# Altium PCB Stabilizer.PCBDOC (part 7 of 8) (continued)
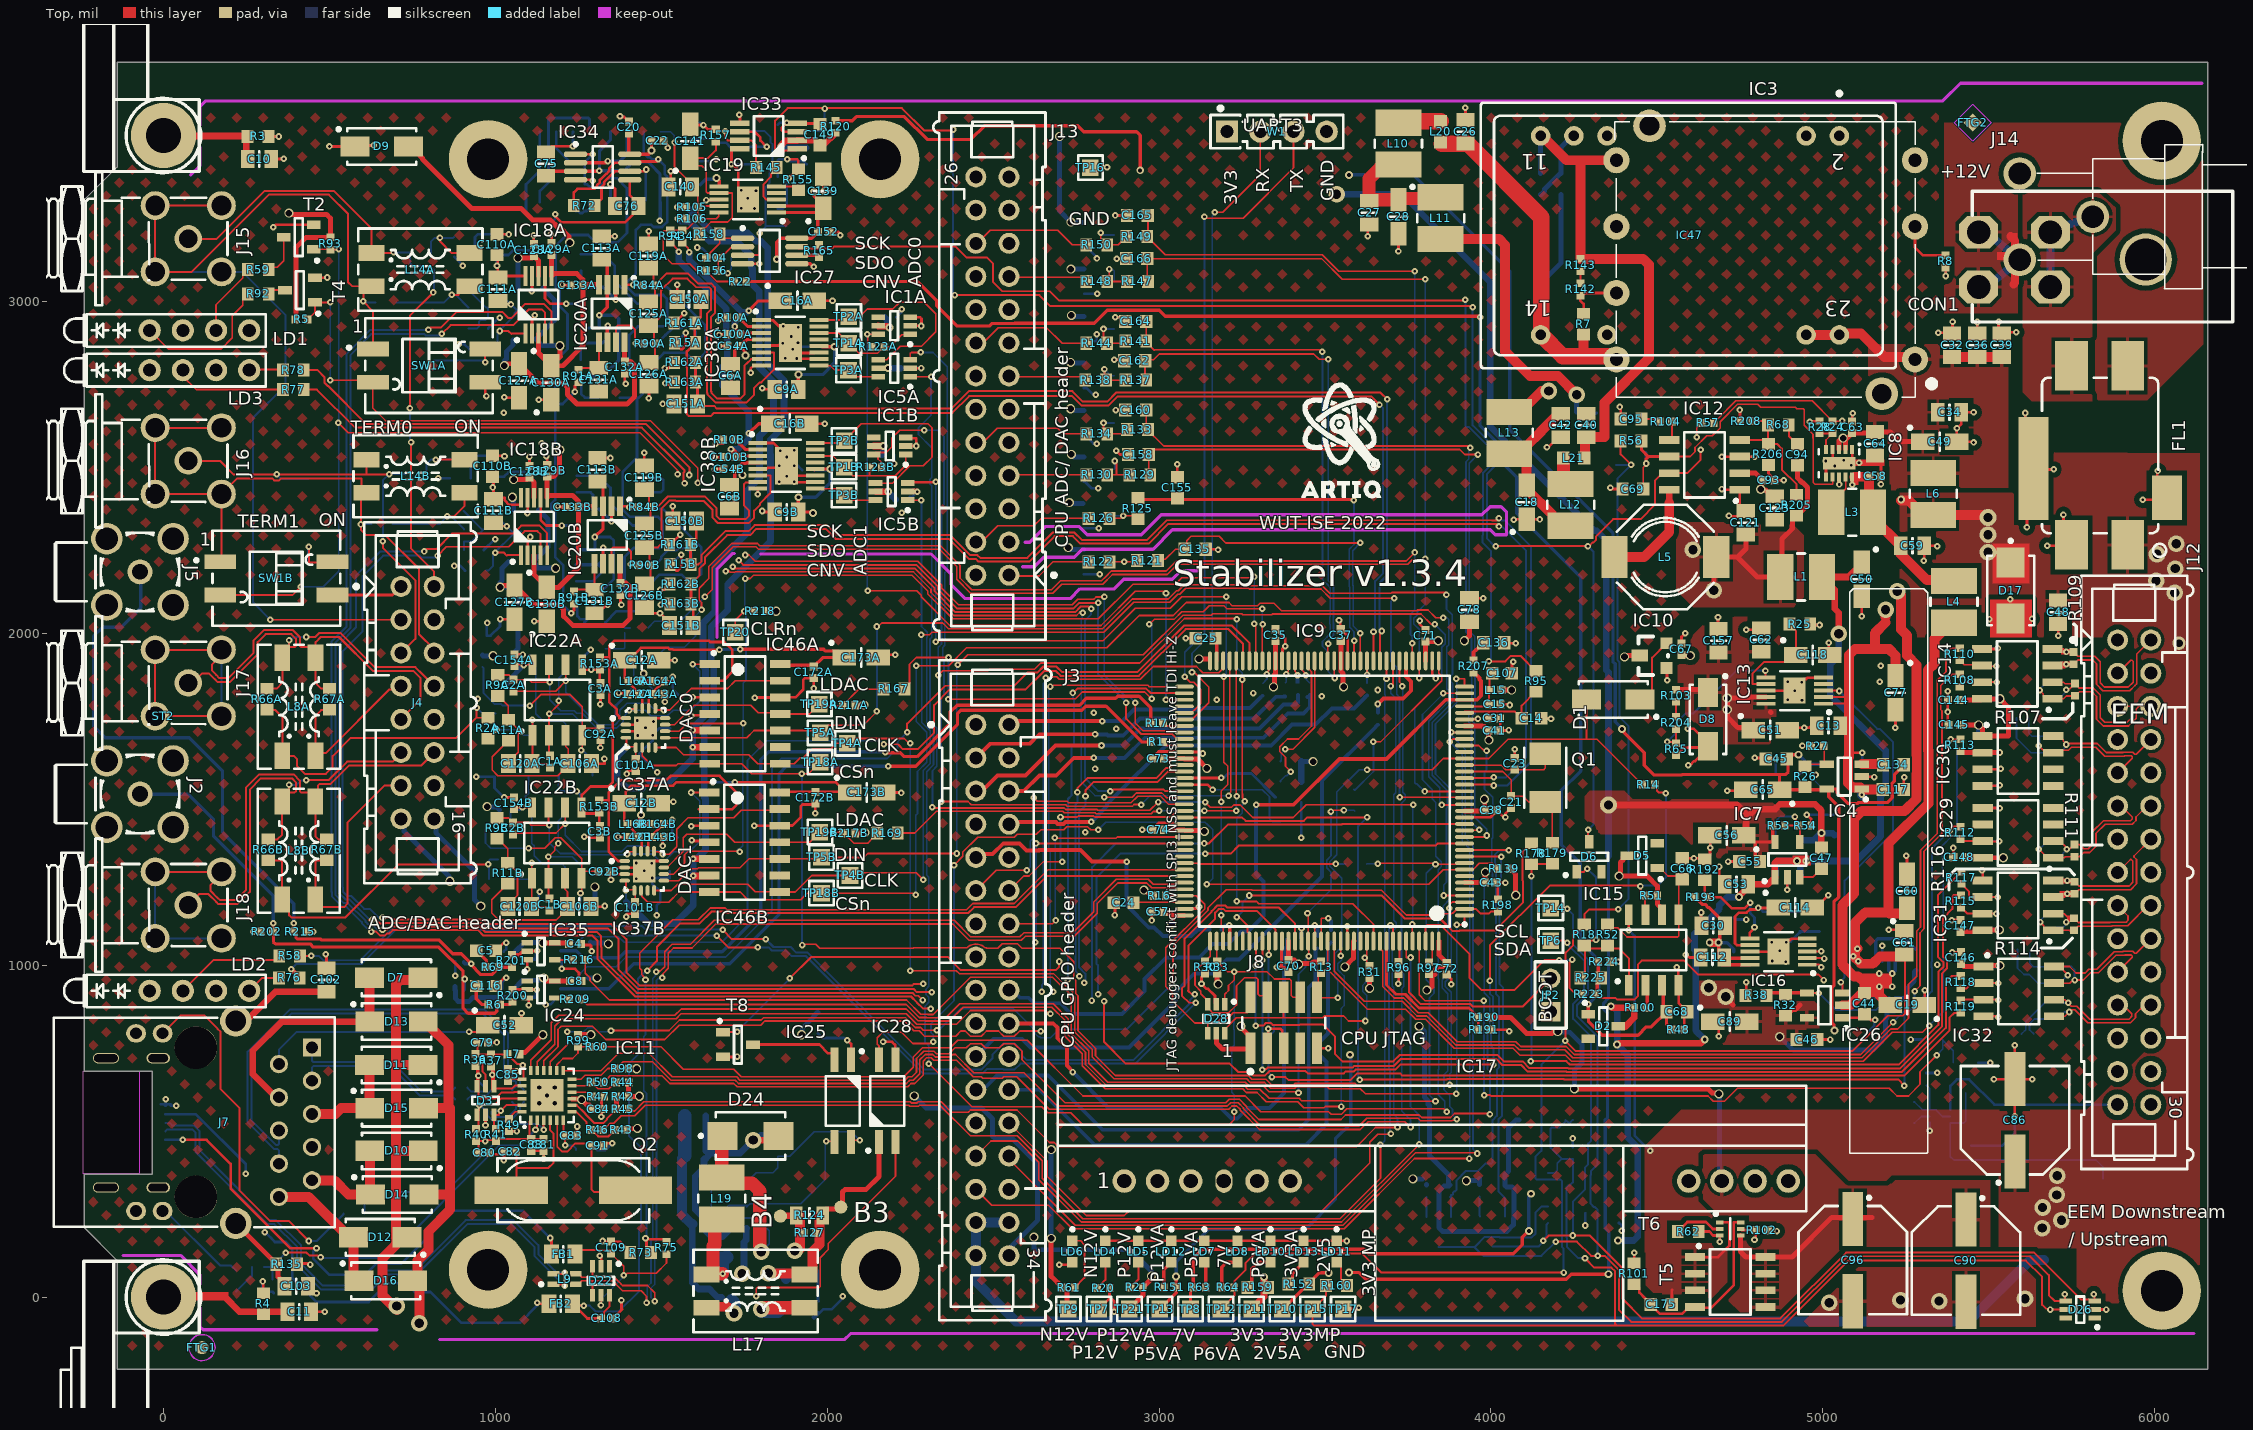
[diagram p0: Top view]
## Nets (pads, with @x,y where several pads share a name; then routed paths per layer and width w, separated by ;. In a path a pad name is that pad's centre, name@x,y a point inside that pad or via, vN(x,y) a via of type N, cw(c..) or ccw(c..) an arc to the next point about the centre after c; other vN are vias at no path point) (continued)
  Top w5: v1(1539.86,3479) 1540,3478.86 1540,3405.69 1584.75,3360.94 1584.75,3331.44 1597.15,3331.44 1609.59,3319 1609.59,3284.31 1609.59,3245.64 1603.59,3239.63 1600.02,3239.63 1579.93,3219.55 1570.02,3219.55 R34.1@1563.16,3212.69 ; 1541.82,3212.69 1527.04,3212.69 1509.09,3212.69 1506.16,3209.76 1506.16,3139.84 1532.29,3113.71 1585.7,3113.71 1606.98,3092.43 R156.1@1634.8,3092.43 1667.23,3060 R22.1@1719.5,3060 1719.5,3060.79 1702.63,3077.66 1702.63,3081.99 v1(1699.82,3084.8) ; 1541.82,3214.18 1542.33,3214.69 R34.1@1563.16,3214.69 ; R106.1@1614.12,3249.34 1665.74,3249.34 1673.54,3257.13 1673.54,3266.94 IC19.10@1674.44,3267.84 ; R105.1@1614.12,3284.31 1617.34,3287.53 IC19.9@1674.44,3287.53
  Bot w5: RN4.8@1496.86,3511.38 1527.62,3511.38 1539.86,3499.14 v1(1539.86,3479) ; v1(1699.82,3084.8) 1699.82,3086.7 1711.13,3098.01 R154.2@1711.13,3133.16
REF_P4V096_ADCA: C16A.1 C100A.2 IC38A.3 R34.2 | length 538.3
  Top w5: R34.2@1563.16,3177.68 1563.95,3177.68 1581.04,3160.59 1581.04,3150.56 v1(1583.85,3147.75)
  Top w7.87: C100A.2@1735.06,2901.19 1737.58,2903.7 1738.68,2904.8 IC38A.3@1802.39,2904.8
  Top w10: v1(1721.73,2924.49) 1721.73,2919.55 C100A.2@1737.58,2903.7 ; v1(1763.39,2972.01) 1792.92,3001.54 C16A.1@1836.23,3001.54
  Bot w20: v1(1583.85,3147.75) 1583.85,3125.81 1742.24,2967.43 1758.8,2967.43 v1(1763.39,2972.01) ; v1(1721.73,2924.49) 1721.73,2938.96 1746.21,2963.45
REF_P4V096_ADCB: C16B.1 C100B.2 IC38B.3 R94.2 | length 960.4
  Top w6: R94.2@1527.04,3177.68 1527.83,3177.68 1552.91,3152.6 v1(1552.91,3149.14)
  Top w10: v1@1710,2550.4 1726.12,2534.28 IC38B.3@1790.69,2534.28 ; 1719.89,2551.95 C100B.2@1732.12,2539.72 ; v1(1763.54,2602.19) 1793.06,2631.72 C16B.1@1836.38,2631.72 ; IC38B.3@1794.65,2533.88 1794.76,2534 1795.44,2533.32 IC38B.3@1796.01,2533.88
  Bot w20: v1(1552.91,3149.14) 1552.91,3121.4 1695.84,2978.46 1695.84,2913.29 1699.28,2909.85 1699.28,2818.29 1684.16,2803.17 1684.16,2746.91 1763.54,2667.53 v1(1763.54,2602.19) 1763.54,2586.45 1732.09,2555 v1(1710,2555)
REF_P4V096_DAC1: C101A.2 C138A.1 IC37A.4 IC37A.5 IC46A.5 IC46A.6 R106.2 | length 2514.2
  Top w5: v1@1395.35,1658.52 IC37A.4@1395.35,1685.35 ; v1@1396.07,1657.8 1422.91,1657.8 C101A.2@1422.91,1620.87 C101A.2@1422.91,1617.71 ; v1(1550.05,3249.34) R106.2@1575.5,3249.34
  Top w20: v1(1594.44,1707.71) 1655.42,1707.71 IC46A.5@1656.06,1707.07 ; v1(1595,1657.08) IC46A.6@1656.05,1657.08
  Bot w20: v1(1395.35,1657.08) 1367,1628.73 1367,1564.18 1397.37,1533.82 C138A.1@1444,1533.82 ; C138A.1@1461.99,1555.98 1528.07,1555.98 1595,1622.91 v1(1595,1657.08) 1595,1707.71 1595,1715.21 1633.04,1753.25 1633.04,1893.22 1625.5,1900.76 1625.5,2030.62 1661.18,2066.3 1661.18,2204.94 1759.61,2303.37 1759.61,2431.07 1796.01,2467.47 1796.01,2594.99 1838.18,2637.17 1838.18,2758.16 1795.48,2800.86 1795.48,3030.35 1774.94,3050.9 1774.94,3099.28 1770.8,3103.42 1770.8,3138.45 1728.09,3181.16 1644.68,3181.16 1584.62,3241.22 1558.17,3241.22 v1(1550.05,3249.34)
REF_P4V096_DAC2: C101B.2 C138B.1 IC37B.4 IC37B.5 IC46B.5 IC46B.6 R105.2 | length 2980.7
  Top w5: IC37B.4@1393.59,1254.73 1393.59,1227.89 1394.31,1227.17 1421.14,1227.17 C101B.2@1421.14,1190.25 C101B.2@1421.14,1187.08 ; v1(1548.82,3284.31) R105.2@1574.5,3284.31 R105.2@1577.12,3284.31
  Top w20: v1(1595.94,1320.6) 1654.3,1320.6 IC46B.5@1654.51,1320.39 ; v1(1596.68,1268.95) 1653.06,1268.95 IC46B.6@1654.51,1270.39
  Bot w5: v1(1393.59,1226.45) 1393.59,1192 C138B.1@1394.57,1191.02
  Bot w20: C138B.1@1394.57,1191.02 1460.23,1125.36 1540.56,1125.36 1596.68,1181.47 v1(1596.68,1268.95) v1@1596.68,1320.6 ; v1(1548.82,3284.31) 1576.88,3284.31 1655.04,3206.16 1760.71,3206.16 1785.71,3181.16 1801.25,3181.16 1820.48,3161.92 1820.48,2811.22 1869.86,2761.84 1869.86,2624.04 1828.5,2582.68 1828.5,2538.91 1828.96,2538.45 1828.96,2276.83 1700.23,2148.1 1700.23,2069.99 1650.5,2020.27 1650.5,1911.12 1658.04,1903.57 1658.04,1742.9 1629.67,1714.52 1629.67,1505.16 1633.04,1501.78 1633.04,1347.57 1606.08,1320.6 v1(1595.94,1320.6)
REF_S\H\D\N\: D6.3 IC12.7 IC33.1 IC42.1 R57.1 | length 5514.2
  Top w6: IC33.1@1910.19,3460.01 1904.34,3454.15 1872.15,3454.15 1867.69,3449.68 1852.78,3449.68 1842.24,3460.23 1842.24,3484.98 1843.16,3485.9 1843.16,3544.54 1880.83,3582.21 2225.17,3582.21 2292.39,3514.99 2332.16,3514.99 2332.45,3515.28 2376.89,3515.28 v1(2379.69,3518.08) ; v1(2384.43,3019.24) 2639.15,3019.24 2672.45,2985.94 2837.87,2985.94 2837.93,2986 3941.61,2986 v1(3944.65,2982.96) ; v1(4013.99,2262.86) 4295.94,2262.86 4307.04,2273.96 4309.35,2273.96 4316.82,2281.43 4316.82,2292.28 4368.27,2343.73 4451,2343.73 4494,2386.73 4494,2459.87 4516.66,2482.53 IC12.7@4537.11,2482.53 4590.95,2482.53 4632,2523.58 v1(4632,2552.79) ; v1(4293,1407.97) 4293,1374.52 D6.3@4295.58,1371.94 ; v1(4620,2590.89) 4620,2619.5 R57.1@4634.5,2634
  L3 w6: v1(4620,2590.89) 4620,2564.79 v1(4632,2552.79)
  Bot w6: IC42.1@1937.31,3513 1987.35,3513 1992,3517.65 v1(1992,3581.23) ; v1(2379.69,3518.08) 2379.69,3023.99 v1(2384.43,3019.24) ; v1(3944.65,2982.96) 3944.84,2982.77 3944.84,2631.81 3944.65,2631.61 3944.65,2626.66 4014.7,2556.61 4014.7,2507.09 3987.5,2479.88 3987.5,2285.88 4010.52,2262.86 v1(4013.99,2262.86) ; v1(4292.23,2262.86) 4308.62,2246.47 4308.62,1423.59 v1(4293,1407.97)
REF_VCC: C45.2 C65.1 C134.2 C169.2 IC4.5 IC43.5 R26.2 R63.1 R120.1 TP8.1 | length 8388.2
  Top w10: R120.1@2025.15,3544.81 2075.81,3544.81 2088,3557 2232,3557 2301,3488 2433,3488 2473.91,3528.91 2755.09,3528.91 2773,3511 2932,3511 2942.95,3500.05 v4(2942.95,3395.05) ; TP8.1@3094.47,-36.02 3094.47,20.43 R63.1@3103.1,29.06 3103.1,116.8 3130.27,143.97 3617.61,143.97 3631.08,130.5 4067.5,130.5 4094.49,157.49 4094.49,179.8 v4(4114.25,199.55) ; v4(4395,1712) 4395,1708.31 4401.44,1701.87 4401.44,1700.52 4461.65,1640.31 4461.65,1601.96 4490.28,1573.33 4575.67,1573.33 4577,1574.66 4869.52,1574.66 ; C45.2@4891.17,1621.41 4904.05,1634.29 v4(4927.05,1634.29) ; C45.2@4895.11,1607.63 4895.11,1581.87 4887.89,1574.66 4869.52,1574.66 ; v4(5035,803) 5033.49,804.51 5033.49,820.26 5026.84,826.92 5026.84,931.66 5033.49,938.31 5033.49,1190.92 5048,1205.42 5048,1476.91 5018,1506.91 IC4.5@5018,1530.86 ; C134.2@5244.12,1604 5216,1575.88 5216,1555.05 5209.24,1548.3 5209.24,1505.07 5194.34,1490.16 5106.81,1490.16 5103.64,1487 5075.82,1487 5042.31,1520.51 5042.31,1530.86 IC4.5@5018,1530.86 ; 4869.52,1574.66 C65.1@4869.52,1528.89 5009.28,1528.89 IC4.5@5011.25,1530.86 IC4.5@5018,1530.86
  L3 w10: v4(2942.95,3395.05) 3555.29,3395.05 3568.91,3381.43 v4(3572.6,3381.43) ; v4(4120.65,311.35) 4249.66,311.35 4684.28,745.97 4977.97,745.97 5002.69,770.69 5002.69,784.22 5014.32,795.84 5027.84,795.84 v4(5035,803)
  Bot w10: v4(3572.6,3381.43) 3765.51,3381.43 4056.15,3090.79 4056.15,2613.85 4367.53,2302.47 4367.53,1914.59 4374,1908.12 4374,1733 v4(4395,1712) ; v4(4114.25,199.55) 4114.25,301.27 4120.65,307.67 v4(4120.65,311.35) ; C169.2@4926.6,1573.33 4926.6,1574.31 4955.04,1602.75 4955.04,1606.3 ; v4(4927.05,1634.29) 4955.04,1606.3 ; IC43.5@5011.25,1605.67 4962.01,1605.67 4961.38,1606.3 4955.04,1606.3
REV_ID0: IC9.56 R180.1 | length 364.7
  Top w5: v1(3380.65,1651) 3403.64,1651 3469.34,1716.7 3469.34,1916.22 IC9.56@3468.63,1916.94
  Bot w5: v1(3380.65,1651) 3367.52,1637.87 R180.1@3367.52,1617.45 ; R180.1@3367.52,1617.45 3367.52,1615.48 R180.1@3365.65,1613.61 3365.65,1615.58 R180.1@3367.52,1617.45
REV_ID1: IC9.57 R181.1 | length 455.7
  Top w5: v1(3396.85,1583.43) 3380.65,1599.63 3380.65,1626.47 3363.31,1643.82 3363.31,1658.18 3386.63,1681.5 3420,1681.5 3459.34,1720.84 3459.34,1883.9 3448.94,1894.3 IC9.57@3448.94,1916.94
  Bot w5: R181.1@3365.65,1553.63 3365.65,1555.6 3380.86,1570.82 3384.24,1570.82 v1(3396.85,1583.43)
REV_ID2: IC9.87 R182.1 | length 311.4
  Top w8: IC9.87@3075.91,1563.59 3076.36,1564.04 3186.32,1564.04 v1(3186.77,1564.5)
  Bot w8: v1(3186.77,1564.5) 3189.01,1566.73 3197.27,1566.73 3208.03,1577.5 3278.51,1577.5 3349.96,1506.04 R182.1@3351.93,1506.04
REV_ID3: IC9.88 R183.1 | length 374.7
  Top w8: IC9.88@3075.91,1543.9 3146.1,1543.9 v1(3161,1529)
  Bot w5: v1(3161,1529) 3310.71,1529 3332.41,1507.3 3332.41,1440.82 3340.43,1432.81 R183.1@3365.65,1432.81
RFBA: C2A.2 IC22A.7 IC37A.16 IC46A.1 R9A.1 | length 1016.6
  Top w5: R9A.1@1007.32,1874.33 1041.21,1874.33 C2A.2@1054.99,1860.55 1101.92,1860.55 1109.8,1852.68 v1(1164.02,1852.68) ; v1@1161.85,1854.85 IC22A.7@1161.85,1905.43 ; v1(1403.3,1768.03) 1407.24,1771.97 IC37A.16@1422.91,1771.97 ; v1(1594.44,1907.07) IC46A.1@1656.06,1907.07
  Bot w5: v1(1164.02,1852.68) 1164.02,1800 1196.94,1767.07 1237.26,1767.07 1245.14,1759.19 1261.53,1759.19 1305.97,1714.75 1365.42,1714.75 1385.08,1734.41 1385.08,1748.03 1400.49,1763.44 1399.29,1764.64 1402.67,1768.03 v1(1403.3,1768.03) 1451.69,1768.03 1468.14,1751.58 1518.41,1751.58 1522.76,1755.93 1523.43,1755.93 1535.85,1768.35 1588.66,1768.35 1615.54,1795.23 1615.54,1885.97 v1(1594.44,1907.07)
RFBB: C2B.2 IC22B.7 IC37B.16 IC46B.1 R9B.1 | length 1021.2
  Top w5: R9B.1@1005.55,1443.71 1039.45,1443.71 C2B.2@1053.22,1429.93 1100.16,1429.93 1108.03,1422.05 v1(1162.25,1422.05) ; v1@1160.08,1424.22 IC22B.7@1160.08,1474.81 ; v1(1398,1335) 1404.35,1341.35 IC37B.16@1421.14,1341.35 ; v1(1589.68,1520.39) IC46B.1@1654.51,1520.39
  Bot w5: v1(1162.25,1422.05) 1162.25,1369.38 1195.18,1336.45 1235.49,1336.45 1239.12,1332.82 1398.72,1332.82 1397.99,1333.55 v1(1398,1335) 1474.2,1335 1493.62,1315.58 1510.91,1315.58 1537.13,1341.8 1584.49,1341.8 1615.54,1372.86 1615.54,1494.53 v1(1589.68,1520.39)
RMII_CRS_DV: IC9.43 R50.1 | length 4067.6
  Top w5: R50.1@1326.85,647 1326.85,647.79 1345.77,666.7 1501.94,666.7 1525.18,643.46 1718.8,643.46 1728.52,633.73 2242.81,633.73 2252.54,643.46 2263.5,643.46 2289,668.95 2289,710.74 2299.16,720.9 2313.53,720.9 2320.88,713.55 2389.69,713.55 2439.51,663.73 2463.95,663.73 2468.68,659 2526.92,659 2531.65,663.73 2570.77,663.73 2668.9,565.6 3209.53,565.6 3219.69,575.75 3234.06,575.75 3244.22,565.6 3244.22,563 3302.49,504.73 3605.87,504.73 3629.82,528.69 3740.29,528.69 v1(3757.63,511.35) ; IC9.43@3724.53,1916.94 3724.53,1853.44 3733,1844.97 v1(3733,1841)
  Bot w5: v1@3734.53,1841.44 3734.53,1520.83 3741.87,1513.49 3741.87,1499.13 3730.29,1487.54 3730.29,980.7 3737.34,973.64 3737.34,936.43 3731.61,930.7 3731.61,560 3757.63,533.98 v1(3757.63,511.35)
RMII_MDC: IC9.27 IC11.13 | length 4273.2
  Top w5: IC11.13@1204.7,682.43 1318.18,682.43 1369.92,734.17 1462.75,734.17 1533.46,663.46 1727.08,663.46 1736.81,653.73 2234.53,653.73 2244.26,663.46 2255.22,663.46 2269,677.24 2269,719.03 2290.87,740.9 2321.81,740.9 2329.16,733.55 2367.54,733.55 2385.2,751.22 2419.13,751.22 2431.65,763.73 2463.95,763.73 2476.46,751.22 2519.13,751.22 2531.65,763.73 2563.95,763.73 2586.79,740.89 2586.79,715.45 2716.65,585.6 3201.25,585.6 3211.41,595.75 3242.34,595.75 3264.22,573.88 3264.22,571.29 3300.51,534.99 3547.85,534.99 3561.55,548.69 3784.03,548.69 3791.65,541.07 3878,541.07 3890.09,553.16 3994.46,553.16 v1(3996.9,550.72) ; IC9.27@3920.4,1662.01 3963.39,1662.01 3979.37,1646.04 v1(3986.6,1646.04)
  Bot w5: v1(3986.6,1646.04) 3986.6,1589.3 3980.66,1583.36 3980.66,1530.08 4004.84,1505.9 4004.84,1383.6 4002.29,1381.05 4002.29,1302.81 4004.42,1300.69 4004.42,1265.1 3979.56,1240.24 3979.56,916.9 3995.97,900.49 3995.97,813.5 3989.56,807.09 3989.56,685.97 3996.9,678.62 v1(3996.9,550.72)
RMII_MDIO: IC9.36 IC11.12 R98.2 | length 4369.5
  Top w5: IC11.12@1230.29,656.84 1258.58,656.84 1270.32,668.58 1318.48,668.58 1338.46,688.56 R98.2@1364.37,688.56 1385.09,709.28 1473.5,709.28 1529.32,653.46 1722.94,653.46 1732.67,643.73 2238.67,643.73 2248.4,653.46 2259.36,653.46 2279,673.09 2279,714.89 2295.02,730.9 2317.67,730.9 2325.02,723.55 2371.68,723.55 2379.03,730.9 2386.48,730.9 2441.82,675.56 2593.06,675.56 2693.03,575.6 3205.39,575.6 3215.55,585.75 3238.2,585.75 3254.22,569.74 3254.22,567.15 3306.63,514.73 3601.73,514.73 3625.68,538.69 3779.89,538.69 3787.51,531.07 3882.14,531.07 3884.08,533.01 3894.46,533.01 v1(3897.27,535.82) ; v1(3895.43,1863.22) 3920.03,1863.22 3920.4,1862.85 IC9.36@3920.4,1839.18
  Bot w5: v1(3895.43,1863.22) 3897.27,1861.39 3897.27,1791.67 3832.8,1727.2 3832.8,1576.25 3878.62,1530.42 3878.62,1471.48 3875.74,1468.6 3875.74,1198.27 3856.66,1179.18 3856.66,1164.82 3869.93,1151.55 3869.93,971.6 3852.66,954.33 3852.66,931.67 3869.93,914.4 3869.93,681.04 3858.4,669.51 3858.4,624.9 3875.75,607.55 3875.75,574.03 3884.19,565.6 3884.19,548.9 v1(3897.27,535.82)
RMII_REF_CLK: IC9.35 R60.1 | length 4138.8
  Top w5: R60.1@1323.43,753.87 1498.96,753.87 1566.13,686.7 1717.98,686.7 1740.95,663.73 2230.39,663.73 2259,692.34 2259,723.17 2286.96,751.13 2370.98,751.13 2393.58,773.73 2602.89,773.73 2770.62,606 3259.15,606 3306.46,558.69 3510.61,558.69 3518.58,550.72 3549.43,550.72 3565.86,567.15 3858.11,567.15 v1(3866.84,558.41) ; v1(3856.06,1819.49) IC9.35@3920.4,1819.49
  Bot w5: v1(3856.06,1819.49) 3856.84,1818.71 3793.47,1755.34 3793.47,1558.39 3822.8,1529.06 3822.8,1501.13 3833.94,1489.99 3833.94,1327.87 3850.14,1311.67 3850.14,1297.3 3840.83,1287.99 3840.83,960.3 3842.66,958.47 3842.66,686.93 3840.83,685.1 3840.83,609.76 3860.83,589.76 3860.83,564.43 v1(3866.84,558.41)
RMII_RXD0: IC9.44 R45.1 | length 3852.7
  Top w5: R45.1@1401.77,569.02 1410.05,560.74 1419.84,560.74 1447.19,588.1 2249.81,588.1 2253.19,584.72 2270.81,584.72 2274.19,588.1 2343.43,588.1 2374.56,556.97 2424.88,556.97 2431.65,563.73 2572.04,563.73 2669.93,465.84 2683.77,465.84 2696.24,453.38 3594.5,453.38 3651.97,510.84 3717.76,510.84 v1(3718.26,511.35) ; v1(3698.32,1841.1) 3701.24,1844.03 3704.85,1844.03 IC9.44@3704.85,1916.94
  Bot w5: v1(3698.32,1841.1) 3698.32,1819.63 3712.95,1804.99 3712.95,1519.25 3707.19,1513.49 3707.19,1135.09 3714.53,1127.75 3714.53,1113.38 3702.66,1101.51 3702.66,936.43 3707.19,931.9 3707.19,550.72 3718.26,539.65 v1(3718.26,511.35)
RMII_RXD1: IC9.45 R46.1 | length 4169.5
  Top w5: R46.1@1325.5,504 1345.21,523.7 1356.66,523.7 1379.51,546.55 1419.79,546.55 1451.33,578.1 2245.67,578.1 2249.04,574.72 2274.96,574.72 2278.33,578.1 2339.29,578.1 2431.65,485.74 2572.65,485.74 2647.55,410.84 2647.55,358.06 2769.61,236 3544.85,236 3667,358.15 v1(3667,459) ; v1@3664.66,461.34 v1@3667,463.69 ; v1(3685.16,1862.85) IC9.45@3685.16,1916.94
  Bot w5: v1(3667,459) 3667.7,459 3679.85,471.14 3679.85,1798.32 3681.34,1799.82 3681.34,1814.18 3679.85,1815.68 3679.85,1857.54 v1(3685.16,1862.85)
RMII_TX_EN: IC9.70 IC11.16 | length 3353.3
  Top w5: IC11.16@1145.64,682.43 1145.64,711.71 1188.59,754.66 1188.59,806.27 1198.66,816.34 1292.52,816.34 1332.71,776.15 1510.63,776.15 1553.68,819.2 1799.6,819.2 1812.11,831.71 2231.61,831.71 2261.11,802.22 2277.31,802.22 2293.18,786.34 2386.82,786.34 2401.97,801.49 2415.89,801.49 2431.65,785.74 2463.95,785.74 2479.7,801.49 2515.89,801.49 2531.65,785.74 2563.95,785.74 2579.7,801.49 v1(2643.64,801.49) ; v1(2658.18,1865.76) 2658.38,1865.96 2675.52,1865.96 2678.22,1868.66 2691.39,1868.66 2698.81,1861.24 2943.38,1861.24 2982.22,1900.08 3112.72,1900.08 3131.91,1880.89 3179.63,1880.89 3193.04,1894.3 IC9.70@3193.04,1916.94
  L3 w5: v1(2643.64,801.49) 2643.64,916.62 v1(2646.94,919.91)
  Bot w5: v1(2646.94,919.91) 2646.94,940.99 2651.08,945.14 2651.08,1848.82 2655.37,1853.1 2655.37,1862.95 v1(2658.18,1865.76)
RMII_TXD0: IC9.73 IC11.17 | length 3104.1
  Top w5: IC11.17@1125.96,682.43 1125.96,709.42 1178.59,762.05 1178.59,815.79 1201.78,838.99 1545.18,838.99 1559.51,853.32 2238.29,853.32 2269.39,822.22 2290.83,822.22 2291.39,821.66 2389.57,821.66 2431.65,863.73 2658.5,863.73 2668.91,853.32 v1(2672.62,853.32) ; v1(2671.76,1839.7) 2675.74,1839.7 2680.05,1844.01 2965.44,1844.01 2970.27,1839.18 IC9.73@3075.91,1839.18
  L3 w5: v1(2672.62,853.32) 2672.62,893.05 2680.45,900.89 v1(2680.45,919.91)
  Bot w5: v1(2671.76,1839.7) 2671.76,1835.72 2667.66,1831.62 2667.66,1346.93 2671.66,1342.93 2671.66,928.7 v1(2680.45,919.91)
RMII_TXD1: IC9.129 IC11.18 | length 3292.2
  Top w5: IC11.18@1106.27,682.43 1106.27,713.49 1168.59,775.8 1168.59,826.26 1191.32,848.99 1541.03,848.99 1560,867.95 2237.8,867.95 2273.53,832.22 2294.97,832.22 2295.53,831.66 2367.55,831.66 2409.62,873.73 2676.73,873.73 2715.74,834.73 2715.74,786.04 2768.22,733.55 2768.22,696.67 2837.27,627.61 3251.67,627.61 3262.67,616.61 3295.02,616.61 3322.98,588.66 3417.87,588.66 3436.09,570.44 3496.49,570.44 3500.23,574.17 v1(3548.36,574.17) ; v1(3547.37,1028.09) IC9.129@3547.37,1072.45
  Bot w5: v1(3547.37,1028.09) 3550.33,1025.12 3550.33,1015.51 3538.72,1003.9 3538.72,986.27 3557.37,967.62 3557.37,878.56 3548.36,869.56 v1(3548.36,574.17)
SCKI: IC9.128 R110.1 | length 3173.5
  Top w5: IC9.128@3527.68,1072.45 3527.68,981.47 3618.21,890.94 3732.76,890.94 3776.98,846.72 3806.68,846.72 3893.87,759.53 4070.56,759.53 4085.2,744.89 4222.35,744.89 4246.55,720.69 5117.88,720.69 5204.84,807.65 5225.67,807.65 5257.86,839.85 5257.86,942.46 5282.54,967.14 5282.54,1103 5294.41,1114.87 5294.41,1346.76 5344.69,1397.04 5344.69,1858.25 5370.88,1884.44 5370.88,1940 5386.18,1955.3 R110.1@5412.57,1955.3
SDI: IC9.135 R108.1 | length 2952
  Top w5: IC9.135@3665.48,1072.45 3665.48,1049.81 3673.66,1041.62 3673.66,935.67 3708.39,900.94 3736.9,900.94 3781.12,856.72 3810.82,856.72 3898.01,769.53 4074.7,769.53 4089.35,754.89 4226.49,754.89 4250.69,730.69 5113.74,730.69 v1(5211.46,828.41) ; v1(5276.31,921.21) 5292.66,937.56 5292.66,1097.22 5304.88,1109.45 5304.88,1343.09 5359.05,1397.25 5359.05,1766.1 5354.69,1770.45 5354.69,1841.82 5389.44,1876.56 R108.1@5412.57,1876.56
  Bot w5: v1(5211.46,828.41) 5276.31,893.27 v1(5276.31,921.21)
SDO: IC9.127 R113.1 | length 2994.1
  Top w5: IC9.127@3508,1072.45 3508.02,986.99 3628.23,866.77 3742.78,866.77 3772.84,836.72 3802.54,836.72 3889.72,749.53 4066.42,749.53 4087.55,728.4 4224.7,728.4 4242.41,710.69 5122.02,710.69 5208.99,797.65 5300.37,797.65 v1(5320,817.28) ; v1(5385.76,1681.06) R113.1@5414.57,1681.06
  Bot w5: v1(5320,817.28) 5362.34,859.62 5362.34,1269.22 5359.55,1272.02 5359.55,1359.66 5387.55,1387.67 5388.84,1387.67 5404,1402.83 5404,1662.82 v1(5385.76,1681.06)
SPI1_MISO: J3.21 R136.2 | length 1832.5
  Bot w11.73: J3.21@2447.8,724.73 2501.16,778.09 2586.75,778.09 2612.93,751.91 2909.57,751.91 3051.12,893.46 3051.12,919.74 3105.77,974.39 3161.17,974.39 3203.74,1016.96 3241,1016.96 3491.29,1267.24 3491.29,1556.79 3652.66,1718.16 3652.66,1718.94 3658.21,1724.5 R136.2@3659,1724.5
SPI1_MOSI: J3.20 R128.2 | length 1499.1
  Top w11.73: J3.20@2547.8,824.73 2681.17,824.73 2693.33,812.58 2693.33,779.96 2722.07,751.22 2722.07,697.82 v1@2740.92,678.98
  Bot w11.73: v1(2740,678.06) 2847.78,570.27 3185.73,570.27 3218.3,537.7 3235.45,537.7 3268.02,570.27 3332.41,570.27 3376.49,614.35 3376.49,1047 3385.56,1056.07 3385.56,1077.95 R128.2@3386.61,1079
SPI1_NSS: J3.23 R131.1 | length 1626.6
  Bot w11.73: J3.23@2447.8,624.73 2456.8,633.73 2478.53,633.73 2511.89,667.09 2666.06,667.09 2828.94,504.22 3420.76,504.22 3451.03,534.49 3451.03,932.53 3471.57,953.06 3471.57,1045.23 R131.1@3476.2,1049.86
SPI1_SCK: J3.24 R132.1 | length 1621.2
  Bot w11.73: J3.24@2547.8,624.73 2640,624.73 2805.73,459 3442.5,459 3504.52,521.02 3504.52,708.43 3484.88,728.07 3484.88,769.53 3509.48,794.13 3509.48,1060.53 3511.5,1062.55 3511.5,1063.34 3517.05,1068.89 R132.1@3517.84,1068.89
SPI2_MISO: IC1A.6 IC9.75 R123A.2 | length 2215.1
  Top w5: v1(2122,2128) 2269.75,2128 2282.85,2114.9 2282.85,2110.36 2369.59,2023.63 2825.02,2023.63 2927.85,2126.47 3015.15,2126.47 v1(3020.76,2120.86) ; R123A.2@2134.51,2863.17 2134.51,2863.95 2125.59,2872.87 2124.93,2872.87 2122,2875.8 2122,2899.92 v1(2121,2900.92) 2153.01,2900.92 IC1A.6@2153.36,2901.27 ; v1(3020.76,1800.27) 3020.99,1800.04 3075.68,1800.04 IC9.75@3075.91,1799.81
  Bot w5: v1(2121,2900.92) 2121,2129 v1(2122,2128) ; v1(3020.76,1800.27) v1(3020.76,2120.86)
SPI2_MOSI: IC9.76
SPI2_NSS: IC5A.1 IC9.140 | length 3329.7
  Top w5: IC5A.1@2249.82,2773.17 v1(2312.85,2773.17) ; v1(2317,1476) 2319.26,1473.74 2714.21,1473.74 2718.61,1469.34 2812.79,1469.34 2815.48,1466.66 2972.14,1466.66 v1(2997.14,1491.66) ; v1(3138.52,1490.8) 3153.66,1475.66 3218.37,1475.66 3225.22,1482.51 3244.97,1482.51 3282.32,1445.16 3404.5,1445.16 3443.08,1483.74 3765.26,1483.74 v1(3766,1483) ; v1(3762.95,1122.64) 3762.95,1073.4 IC9.140@3763.9,1072.45
  Bot w5: v1(2312.85,2773.17) 2312.85,2657.07 2275.05,2619.27 2275.05,2599.26 2315,2559.31 2315,2469.64 2309.66,2464.29 2309.66,2449.93 2315,2444.58 2315,1988.47 2309.66,1983.13 2309.66,1735.22 2330.2,1714.68 2330.2,1599.43 2317,1586.23 v1(2317,1476) ; v1(2997.14,1491.66) 3137.66,1491.66 v1(3138.52,1490.8) ; v1(3762.95,1122.64) 3764.48,1124.17 3764.48,1481.48 v1(3766,1483)
SPI2_SCK: IC5A.3 IC9.69 | length 2765.6
  Top w5: IC5A.3@2249.82,2824.36 2249.82,2843.42 2252.75,2846.35 v1(2281.3,2846.35) ; v1(2344,1493) 2424.38,1493 2433.64,1483.74 2718.35,1483.74 2722.75,1479.34 2816.94,1479.34 2817.19,1479.08 2919.66,1479.08 2924.58,1484 v1(2946,1484) ; v1(3209.16,1510.65) 3209.16,1514.62 3216.34,1521.8 3216.34,1705.32 3212.72,1708.94 IC9.69@3212.72,1916.94
  Bot w5: v1(2281.3,2846.35) 2318.52,2846.35 2361.7,2803.17 2361.7,2189.44 2354.34,2182.09 2354.34,1963.67 2348.1,1957.44 2348.1,1919.9 2351.7,1916.31 2351.7,1812.22 2344,1804.53 v1(2344,1493) ; v1(2946,1484) 2973.05,1511.05 3208.76,1511.05 v1(3209.16,1510.65)
SPI3_MISO: IC1B.6 IC9.134 R123B.2 | length 3377.2
  Top w5: R123B.2@2164.28,2499.86 2161.92,2502.22 2161.92,2516.64 2153.2,2525.35 2153.2,2532.42 2146.84,2538.78 IC1B.6@2139.77,2538.78 2146.05,2545.06 2177.74,2545.06 2195.1,2562.42 2195.1,2588.97 2218.22,2612.08 v1(2292.39,2612.08) ; v1(2334.35,1873.88) 2348.13,1887.66 2484.24,1887.66 2488.82,1892.24 2624.93,1892.24 2643.28,1910.58 2942.13,1910.58 3076.35,2044.81 3223.86,2044.81 3223.98,2044.68 3231.32,2044.68 v1(3234.13,2041.87) ; v1(3234.13,1192.15) 3293.82,1192.15 3300.51,1185.47 3583.22,1185.47 3645.79,1122.9 IC9.134@3645.79,1072.45 ; v1(3250.22,1860.86) 3250.22,1517.36 3251.4,1516.18 3251.4,1504.01 3257.89,1497.52 3257.89,1494.11 v1(3258,1494)
  Bot w5: v1(2292.39,2612.08) 2332.45,2612.08 2351.7,2592.84 2351.7,2387.99 2344.34,2380.63 2344.34,1967.82 2334.35,1957.83 v1(2334.35,1873.88) ; v1(3234.13,1192.15) 3234.13,1442.36 3250.22,1458.45 3250.22,1483.47 3258,1491.25 v1(3258,1494) ; v1(3234.13,2041.87) 3234.13,1896.68 3250.22,1880.59 v1(3250.22,1860.86)
SPI3_MOSI: IC9.113
SPI3_SCK: IC5B.3 IC9.111 | length 2551.5
  Top w5: v1(2327,1975) 2329.5,1977.5 2831.09,1977.5 2884.61,2031.02 2884.61,2031.89 2927.85,2075.13 3033.62,2075.13 3068.49,2110 v1(3202.41,2110) ; v1(3186.77,1493) 3186.77,1524.73 3206.34,1544.3 3206.34,1600.18 3194.58,1611.95 v1(3194.58,1869.61) ; v1(3187,1151) 3187,1116.97 3186.77,1116.74 3193.04,1110.47 IC9.111@3193.04,1072.45
  Top w8: IC5B.3@2242.23,2452.59 2244.51,2454.88 2324.76,2454.88 v1(2327,2457.11)
  Bot w5: v1(2327,1975) v1(2327,2457.11) ; v1@3186.77,1487.34 3187,1487.11 v1(3187,1151) ; v1(3194.58,1869.61) 3194.58,1872.06 3202.41,1879.89 v1(3202.41,2110)
SPI4_MISO: IC9.5
SPI4_MOSI: IC9.4 IC37A.9 IC46A.10 TP5A.1 | length 3761.6
  Top w5: IC37A.9@1511.49,1685.35 1757.4,1685.35 1779.12,1707.07 1848.97,1707.07 1965.5,1707.07 TP5A.1@1975.44,1697.13 ; TP5A.1@1978.47,1700.16 2000.97,1722.66 2086.98,1722.66 2089.05,1724.73 2109.87,1724.73 v1(2149.79,1764.64) ; v1(2149.79,2020.53) 2153.31,2020.53 2163.81,2031.02 2348.05,2031.02 2365.45,2013.63 2829.16,2013.63 2919.04,2103.51 3027.94,2103.51 3052.45,2128.02 3057.97,2128.02 3076.17,2146.22 3273.11,2146.22 3275.67,2143.66 3491.78,2143.66 3514.58,2120.86 3698.92,2120.86 3701.23,2123.17 3865.12,2123.17 3865.9,2122.39 v1(3865.9,2115.67) ; v1(3858.17,1210) 3919.66,1210 IC9.4@3920.4,1209.26
  Bot w5: v1(2149.79,1764.64) v1(2149.79,2020.53) ; v1(3858.17,1210) 3858.17,1241.97 3865.74,1249.54 3865.74,1472.74 3868.62,1475.63 3868.62,1526.28 3822.8,1572.1 3822.8,1731.34 3884.19,1792.73 3884.19,1849.95 3878.09,1856.04 3878.09,1870.41 3884.19,1876.5 3884.19,1935.78 3882.93,1937.03 3882.93,2055.54 3865.9,2072.57 v1(3865.9,2115.67)
SPI4_NSS: IC9.3 IC37A.6 IC46A.7 TP18A.1 | length 4040.6
  Top w5: IC37A.6@1442.59,1655.83 1442.61,1631.07 1471.79,1601.9 1545.39,1601.9 1550.57,1607.07 1656.06,1607.07 1742.73,1607.07 1772.67,1577.13 v1(1922.87,1577.13) 1943.83,1577.13 TP18A.1@1978.47,1611.77 TP18A.1@2000.97,1589.27 ; v1(1924.71,1060.7) 1927.14,1063.12 1965.71,1063.12 1977.77,1051.05 2259.6,1051.05 2260.74,1052.18 2420.1,1052.18 cw(c2447.8,1024.73) 2475.5,1052.18 2479.56,1052.18 2480.3,1051.45 2513.63,1051.45 2526.92,1064.74 2573.37,1064.74 2586.66,1051.45 2701.12,1051.45 2742.66,1009.91 2742.66,959.82 2749.33,953.14 2749.33,914.18 2755.74,907.77 2755.74,802.61 2808.22,750.12 2808.22,727.38 2867.99,667.61 3268.24,667.61 3279.24,656.61 3321.86,656.61 3339.66,638.81 3404.15,638.81 3408.67,643.34 3591.13,643.34 3596.82,637.66 3874.1,637.66 v1(3875.74,639.3) ; v1(3874,1172) 3875.74,1173.74 3875.74,1183.05 3883,1190.31 3919.66,1190.31 IC9.3@3920.4,1189.57
  Bot w5: v1(1922.87,1577.13) 1923.79,1576.21 1923.79,1061.62 v1(1924.71,1060.7) ; v1(3874,1172) 3875.79,1172 3879.93,1167.86 3879.93,967.45 3862.66,950.18 3862.66,935.82 3879.93,918.55 3879.93,676.9 3875.74,672.71 v1(3875.74,639.3)
SPI4_SCK: IC9.1 IC37A.8 IC46A.8 TP4A.1 | length 3951.3
  Top w5: IC37A.8@1481.96,1655.83 1545.45,1655.83 1566.9,1634.37 1763.34,1634.37 1790.63,1607.07 1848.97,1607.07 1900.69,1607.07 1918.35,1624.73 1928.19,1624.73 1955.07,1651.62 2010.81,1651.62 2027.92,1668.73 TP4A.1@2060.78,1668.73 2075.23,1683.19 2231.97,1683.19 2246.42,1668.73 v1(2250.3,1668.73) ; v1(2250.3,983.73) 2389.06,983.73 2398.06,974.74 2681.74,974.74 2717.82,938.66 2720.43,938.66 2739.33,919.75 2739.33,910.04 2745.74,903.63 2745.74,798.47 2798.22,745.98 2798.22,723.23 2863.84,657.61 3264.1,657.61 3275.1,646.61 3317.72,646.61 3335.52,628.81 3408.29,628.81 3412.82,633.34 3506.76,633.34 3512.45,627.66 3606.4,627.66 3621.74,612.32 v1(3895.43,612.32) ; v1(3897.34,1121.58) 3911.23,1121.58 3920.4,1130.76 IC9.1@3920.4,1150.2
  Bot w5: v1(2250.3,983.73) 2250.3,1204.17 2249.66,1204.82 2249.66,1219.18 2250.3,1219.83 v1(2250.3,1668.73) ; v1(3895.43,612.32) 3897.34,614.23 v1(3897.34,1121.58)